# KiCad board HandyWork-5x3-with-mods-with-nav-PCB.kicad_pcb
title: HandyWork 5x3 + Mods + Nav: PCB; date: 2026-03-04; rev: v1A; company: Axel Voitier; note: HW-5x3-M-N-PCB; note: CERN Open Hardware Licence Version 2 - Weakly Reciprocal; note: Alidron; note: HandyWork; note: 5x3 + Mods + Nav
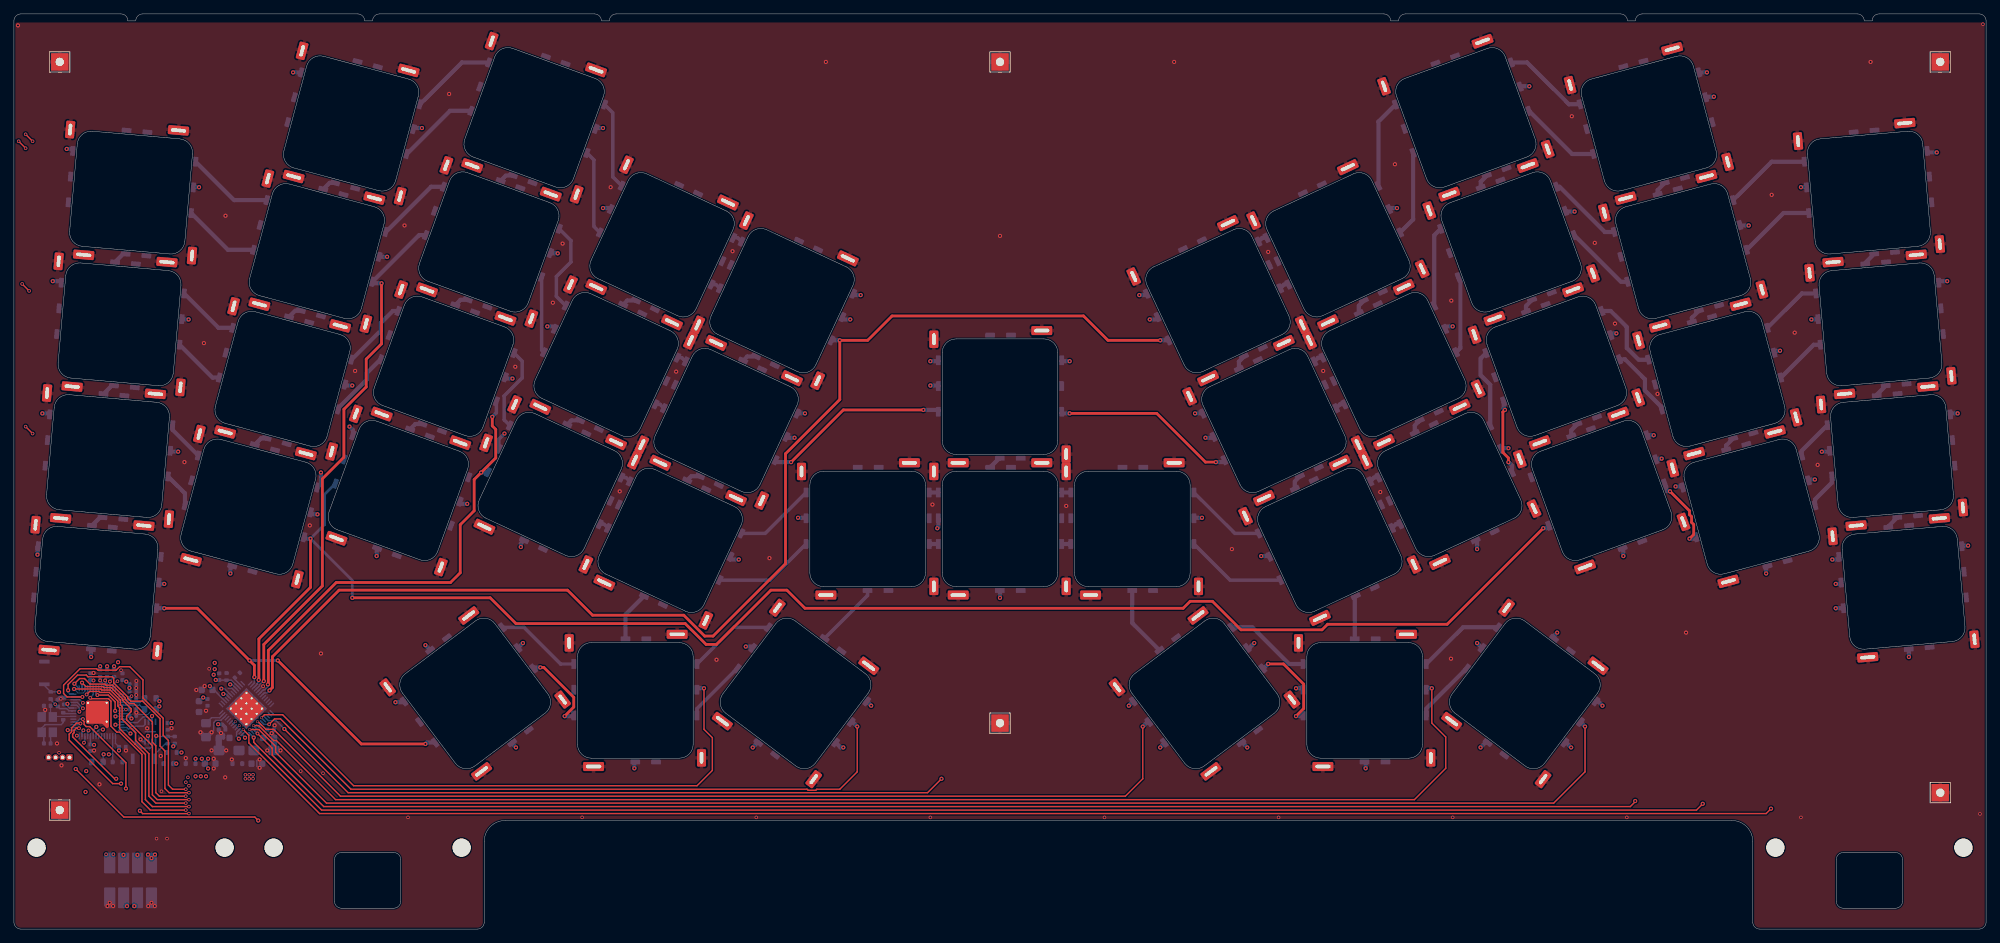
[diagram p0: board, top side]
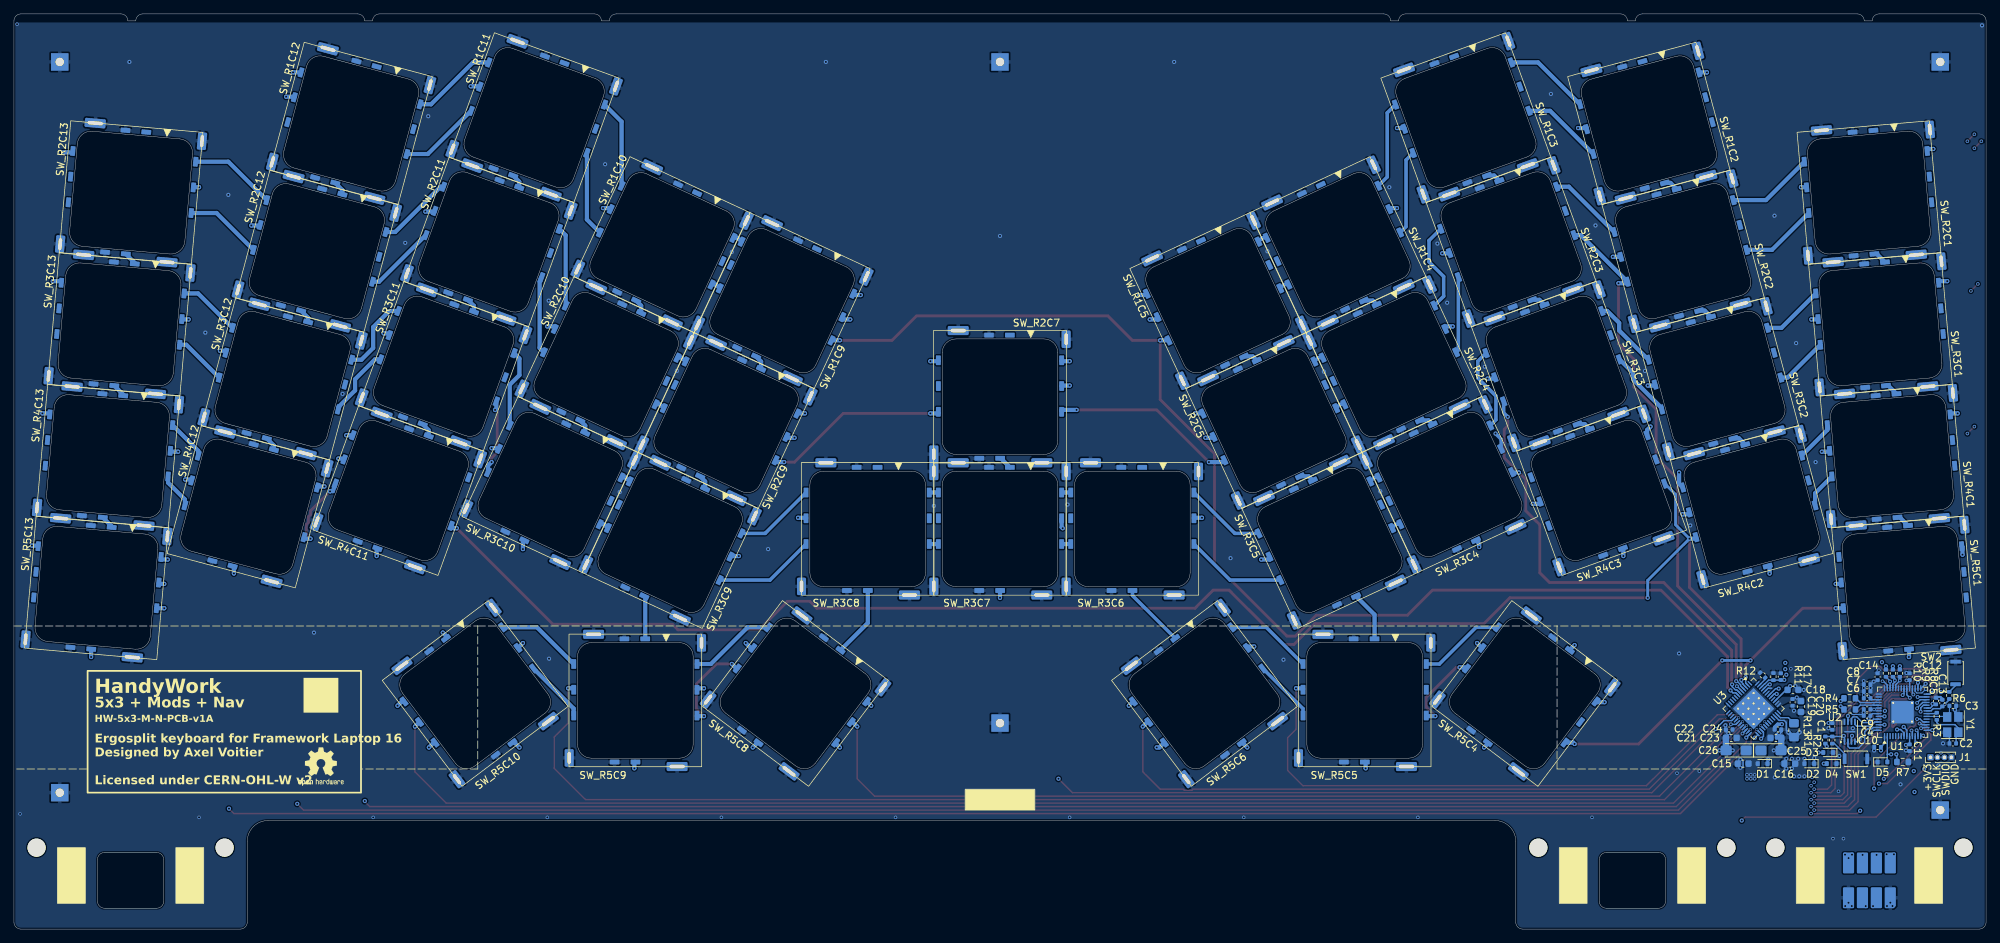
[diagram p1: board, bottom side, seen from below]

Outline 283.16 x 131.5 mm; copper layers: Top, In1.Cu, In2.Cu, Bottom (plane). Coordinates in mm from the lower left corner of the outline.
Stack: Top 0.035mm / dielectric 0.0994mm FR4 er 4.5 / In1.Cu 0.0152mm / dielectric 0.5mm FR4 er 4.5 / In2.Cu 0.0152mm / dielectric 0.0994mm FR4 er 4.5 / Bottom 0.035mm

## Placement (name value [footprint] x y rotation side)
C1  100n  [C_0402_1005Metric]  22.08 29.11 270 bottom
C2  15p  [C_0402_1005Metric]  4.78 26.67 180 bottom
C3  15p  [C_0402_1005Metric]  4.78 32.07 180 bottom
C4  100n  [C_0402_1005Metric]  17.08 30.66 0 bottom
C5  100n  [C_0402_1005Metric]  7.2 32.78 90 bottom
C6  1u  [C_0402_1005Metric]  17.08 33.16 0 bottom
C7  1u  [C_0402_1005Metric]  17.08 34.16 0 bottom
C8  100n  [C_0402_1005Metric]  17.08 35.16 0 bottom
C9  100n  [C_0402_1005Metric]  17.08 31.57 0 bottom
C10  100n  [C_0402_1005Metric]  15.58 26.16 0 bottom
C11  100n  [C_0402_1005Metric]  10.98 26.06 270 bottom
C12  100n  [C_0402_1005Metric]  10.98 36.26 90 bottom
C13  100n  [C_0402_1005Metric]  6.28 32.47 90 bottom
C14  100n  [C_0402_1005Metric]  15.58 36.26 90 bottom
C15  10u  [C_0603_1608Metric]  34.88 23.78 0 bottom
C16  10u  [C_0603_1608Metric]  28.18 23.78 0 bottom
C17  100n  [C_0402_1005Metric]  29.48 36.28 90 bottom
C18  470n  [C_0603_1608Metric]  27.73 34.38 180 bottom
C19  100n  [C_0402_1005Metric]  27.78 32.58 270 bottom
C20  470n  [C_0603_1608Metric]  26.58 31.98 270 bottom
C21  470n  [C_0603_1608Metric]  36.58 27.48 0 bottom
C22  100n  [C_0402_1005Metric]  36.88 28.68 0 bottom
C23  470n  [C_0603_1608Metric]  30.18 27.48 180 bottom
C24  100n  [C_0402_1005Metric]  29.88 28.68 180 bottom
C25  10u  [CP_EIA-3216-18_Kemet-A_HandSolder]  30.88 25.68 180 bottom
C26  10u  [CP_EIA-3216-18_Kemet-A_HandSolder]  35.88 25.68 0 bottom
D1  TVS  [D_SOD-523]  32.08 23.78 0 bottom
D2  TVS  [D_SOD-523]  25.38 23.78 0 bottom
D3  TVS  [D_SOD-523]  22.68 25.38 0 bottom
D4  TVS  [D_SOD-523]  22.18 23.78 0 bottom
D5  TVS  [D_SOD-523]  14.88 24.01 180 bottom
J1  Conn_01x04  [PinHeader_1x04_P1.00mm_Vertical]  7.98 24.67 90 bottom  (not fitted)
J2  Conn_02x04_Odd_Even  [A1 Board PCB]  141.58 74.6 0 top
R1  10k  [R_0402_1005Metric]  23.08 27.16 90 bottom  (not fitted)
R2  1k  [R_0402_1005Metric]  22.08 27.16 90 bottom
R3  1k  [R_0402_1005Metric]  7.08 30.57 90 bottom
R4  27.4  [R_0603_1608Metric]  19.58 33.16 180 bottom
R5  27.4  [R_0603_1608Metric]  19.58 31.56 180 bottom
R6  1k  [R_0402_1005Metric]  5.28 33.57 270 bottom  (not fitted)
R7  330k  [R_0603_1608Metric]  11.98 24.01 0 bottom
R8  2k  [R_0402_1005Metric]  12.38 36.76 90 bottom
R9  2k  [R_0402_1005Metric]  13.38 36.76 90 bottom
R10  100k  [R_0402_1005Metric]  14.38 36.76 90 bottom
R11  100k  [R_0402_1005Metric]  30.53 36.28 270 bottom
R12  100k  [R_0402_1005Metric]  32.08 36.48 225 bottom
R13  22k  [R_0805_2012Metric_Pad1.20x1.40mm_HandSolder]  27.58 28.58 90 bottom
REF**  -  [OSHW-Logo2_7.3x6mm_SilkScreen]  239.08 23.35 180 bottom
SW1  KXT3  [SW_SPST_CK_KXT3]  18.68 24.46 0 bottom
SW2  KXT3  [SW_SPST_CK_KXT3]  4.38 36.8 270 bottom
SW_R1C2  ~  [One Key Module]  48.41 115.76 345 top
SW_R1C3  ~  [One Key Module#3]  74.69 116.59 340 top
SW_R1C4  ~  [One Key Module#4]  93.06 98.33 335 top
SW_R1C5  ~  [One Key Module#4]  110.28 90.3 335 top
SW_R1C9  ~  [One Key Module#5]  172.88 90.3 25 top
SW_R1C10  ~  [One Key Module#5]  190.1 98.33 25 top
SW_R1C11  ~  [One Key Module#6]  208.47 116.59 20 top
SW_R1C12  ~  [One Key Module]  234.75 115.76 15 top
SW_R2C1  ~  [One Key Module]  16.82 105.82 355 top
SW_R2C2  ~  [One Key Module]  43.5 97.41 345 top
SW_R2C3  ~  [One Key Module#3]  68.19 98.73 340 top
SW_R2C4  ~  [One Key Module#4]  85.03 81.11 335 top
SW_R2C5  ~  [One Key Module#4]  102.25 73.08 335 top
SW_R2C7  ~  [One Key Module]  141.58 76.5 0 top
SW_R2C9  ~  [One Key Module#5]  180.91 73.08 25 top
SW_R2C10  ~  [One Key Module#5]  198.13 81.11 25 top
SW_R2C11  ~  [One Key Module#6]  214.97 98.73 20 top
SW_R2C12  ~  [One Key Module]  239.66 97.41 15 top
SW_R2C13  ~  [One Key Module]  266.34 105.82 5 top
SW_R3C1  ~  [One Key Module]  15.16 86.9 355 top
SW_R3C2  ~  [One Key Module]  38.58 79.05 345 top
SW_R3C3  ~  [One Key Module#3]  61.69 80.88 340 top
SW_R3C4  ~  [One Key Module#4]  77 63.89 335 top
SW_R3C5  ~  [One Key Module#4]  94.22 55.86 335 top
SW_R3C6  ~  [One Key Module]  122.58 57.5 0 top
SW_R3C7  ~  [One Key Module]  141.58 57.5 0 top
SW_R3C8  ~  [One Key Module]  160.58 57.5 0 top
SW_R3C9  ~  [One Key Module#5]  188.94 55.86 25 top
SW_R3C10  ~  [One Key Module#5]  206.16 63.89 25 top
SW_R3C11  ~  [One Key Module#6]  221.47 80.88 20 top
SW_R3C12  ~  [One Key Module]  244.58 79.05 15 top
SW_R3C13  ~  [One Key Module]  268 86.9 5 top
SW_R4C1  ~  [One Key Module]  13.51 67.97 355 top
SW_R4C2  ~  [One Key Module]  33.66 60.7 345 top
SW_R4C3  ~  [One Key Module#3]  55.19 63.02 340 top
SW_R4C11  ~  [One Key Module#8]  227.97 63.02 20 top
SW_R4C12  ~  [One Key Module#2]  249.5 60.7 15 top
SW_R4C13  ~  [One Key Module]  269.65 67.97 5 top
SW_R5C1  ~  [One Key Module]  11.85 49.04 355 top
SW_R5C4  ~  [One Key Module]  66.22 33.86 37 top
SW_R5C5  ~  [One Key Module]  89.22 32.86 0 top
SW_R5C6  ~  [One Key Module#7]  112.22 33.86 323 top
SW_R5C8  ~  [One Key Module]  170.94 33.86 37 top
SW_R5C9  ~  [One Key Module]  193.94 32.86 0 top
SW_R5C10  ~  [One Key Module#7]  216.94 33.86 323 top
SW_R5C13  ~  [One Key Module]  271.31 49.04 5 top
TP1  TestPoint  [TestPoint_THTPad_2.5x2.5mm_Drill1.2mm]  6.58 124.6 0 top
TP2  TestPoint  [TestPoint_THTPad_2.5x2.5mm_Drill1.2mm]  141.58 124.6 0 top
TP3  TestPoint  [TestPoint_THTPad_2.5x2.5mm_Drill1.2mm]  276.58 124.6 0 top
TP4  TestPoint  [TestPoint_THTPad_2.5x2.5mm_Drill1.2mm]  141.58 29.6 0 top
TP5  TestPoint  [TestPoint_THTPad_2.5x2.5mm_Drill1.2mm]  276.58 19.6 0 top
TP6  TestPoint  [TestPoint_THTPad_2.5x2.5mm_Drill1.2mm]  6.58 17.1 0 top
U1  RP2040  [QFN-56-1EP_7x7mm_P0.4mm_EP3.2x3.2mm_ThermalVias]  11.98 31.16 90 bottom
U2  W25Q16JV  [Winbond_USON-8-1EP_3x2mm_P0.5mm_EP0.2x1.6mm]  19.58 28.36 90 bottom
U3  IS31FL3733B-QF  [QFN-48-1EP_6x6mm_P0.4mm_EP4.2x4.2mm_ThermalVias]  33.38 31.68 225 bottom
Y1  12.000 MHz  [Crystal_SMD_Abracon_ABM8AIG-4Pin_3.2x2.5mm]  4.78 29.38 90 bottom

## Library data of the parts
C1 C4 C5 C8-C14 C17 C19 C22 C24 = -: Description: Unpolarized capacitor, small symbol; LCSC: C1525; ki_fp_filters: C_*
C2 C3 = -: Description: Unpolarized capacitor, small symbol; LCSC: C1548; ki_fp_filters: C_*
C6 C7 = -: Description: Unpolarized capacitor, small symbol; LCSC: C52923; ki_fp_filters: C_*
C15 C16 = -: Description: Unpolarized capacitor, small symbol; LCSC: C19702; ki_fp_filters: C_*
C18 C20 C21 C23 = -: Description: Unpolarized capacitor, small symbol; LCSC: C1623; ki_fp_filters: C_*
C25 C26 = -: Description: 10uF, 10V, Tantalum; LCSC: C7171; ki_fp_filters: CP_*
D1-D5 = -: Description: Bidirectional transient-voltage-suppression diode, small symbol, filled shape; LCSC: C20615820; ki_fp_filters: TO-???* *_Diode_* *SingleDiode* D_*
J1 = -: Description: Generic connector, single row, 01x04, script generated (kicad-library-utils/schlib/autogen/connector/); GND: GND; +3V3: +3V3; SWDIO: SWDIO; SWCLK: SWCLK; ki_fp_filters: Connector*:*_1x??_*
J2 = -: Description: Generic connector, double row, 02x04, odd/even pin numbering scheme (row 1 odd numbers, row 2 even numbers), script generated (kicad-library-utils/schlib/autogen/connector/); ki_fp_filters: Connector*:*_2x??_*
R1 = -: Description: Resistor, small symbol; LCSC: C25744; ki_fp_filters: R_*
R2 R3 R6 = -: Description: Resistor, small symbol; LCSC: C11702; ki_fp_filters: R_*
R4 R5 = -: Description: Resistor, small symbol; LCSC: C25190; ki_fp_filters: R_*
R7 = -: Description: Resistor, small symbol; LCSC: C23137; ki_fp_filters: R_*
R8 R9 = -: Description: Resistor, small symbol; LCSC: C4109; ki_fp_filters: R_*
R10-R12 = -: Description: Resistor, small symbol; LCSC: C25741; ki_fp_filters: R_*
R13 = -: Description: Resistor, small symbol; LCSC: C17560; ki_fp_filters: R_*
SW1 = -: Description: Push button switch, generic, two pins; MPN: KXT331LHS; Mouser: 611-KXT331LHS; Digikey: CKN10779CT-ND; LCSC: C221822
SW2 = -: Description: Push button switch, generic, two pins; Digikey: CKN10779CT-ND; LCSC: C221822; MPN: KXT331LHS; Mouser: 611-KXT331LHS
TP1-TP6 = -: Description: test point; ki_fp_filters: Pin* Test*
U1 = -: Datasheet: https://datasheets.raspberrypi.com/rp2040/rp2040-datasheet.pdf; Description: A microcontroller by Raspberry Pi, Dual ARM Cortex-M0+, 133MHz, no flash, 264KB SRAM, 8 PIO state machines, VQFN-56; MPN: SC0914(13); Mouser: 358-SC091413; Digikey: 2648-SC0914(13)CT-ND; LCSC: C2040; ki_fp_filters: *QFN*7x7mm?P0.4mm?EP3.2x3.2mm*
U2 = -: Datasheet: https://www.winbond.com/hq/support/documentation/levelOne.jsp?__locale=en&DocNo=DA00-W25Q16JV.1; Description: 16Mbit / 2MiB Serial Flash Memory, Standard/Dual/Quad SPI, 2.7-3.6V, SOIC-8 (208 mil); MPN: W25Q16JVUXIQ; Mouser: 454-W25Q16JVUXIQTR; Digikey: 256-W25Q16JVUXIQTRCT-ND; LCSC: C2843335; ki_fp_filters: *SOIC*5.3x5.3mm*P1.27mm*
U3 = -: Datasheet: https://www.lumissil.com/assets/pdf/core/IS31FL3733B_DS.pdf; Description: 12x16 LED matrix driver with 8-bit PWM and breathing, QFN-48; MPN: IS31FL3733B-QFLS4-TR; Mouser: 870-IS31FL3733BQFLS4; Digikey: 2521-IS31FL3733B-QFLS4-CT-ND; LCSC: C5362338; LCSC-Alt: C506251; ki_fp_filters: QFN*1EP*6x6mm*P0.4mm*
Y1 = -: Description: Four pin crystal, GND on pins 2 and 4, small symbol; MPN: ABM8-272-T3; Mouser: 815-ABM8-272-T3; Digikey: 535-ABM8-272-T3CT-ND; LCSC: C20625731; ki_fp_filters: Crystal*

## Footprints (pads in the part's own frame, mm; a bottom-side part is the same pattern mirrored in y, then rotated)
A1 Board PCB
  round 2.6 hole 2.6 unplated: (-138.33,-62.9) (-111.33,-62.9) (-104.3,-62.9) (-77.3,-62.9) (111.33,-62.9) (138.33,-62.9)
  rrect 1.6x3 smd far side: 1(-127.83,-70.1) 2(-127.83,-65.1) 3(-125.83,-70.1) 4(-125.83,-65.1) 5(-123.83,-70.1) 6(-123.83,-65.1) 7(-121.83,-70.1) 8(-121.83,-65.1)
C_0402_1005Metric
  rrect 0.56x0.62 smd: 1(-0.48,0) 2(0.48,0)
C_0603_1608Metric
  rrect 0.9x0.95 smd: 1(-0.775,0) 2(0.775,0)
CP_EIA-3216-18_Kemet-A_HandSolder
  rrect 1.59x1.39 smd: 1(-1.44,0) 2(1.44,0)
Crystal_SMD_Abracon_ABM8AIG-4Pin_3.2x2.5mm
  rect 1.4x1.2 smd: 1(-1.1,-0.8) 2(1.1,-0.8) 3(1.1,0.8) 4(-1.1,0.8)
D_SOD-523
  rrect 0.6x0.7 smd: 1(-0.7,0) 2(0.7,0)
One Key Module
  rrect 1.4x0.7 smd far side: 1(-1.42,8.85) 2(1.58,8.85) 9(-0.02,-8.85) 10(2.98,-8.85)
  rrect 1.3x2.5 hole 0.5x1.7: 2(-9.5,8.26) 10(9.5,-8.26)
  rrect 3x1.3 hole 2.2x0.5: 2(6,9.5) 10(-6,-9.5)
  rrect 0.7x1.4 smd far side: 3(-8.85,5.23) 4(8.85,5.23) 5(-8.85,1.53) 6(8.85,1.53) 7(-8.85,-2.17) 8(8.85,-2.17)
One Key Module#2
  rrect 1.4x0.7 smd far side: 1(-1.42,8.85) 2(1.58,8.85) 9(-0.02,-8.85) 10(2.98,-8.85)
  rrect 1.3x2.5 hole 0.5x1.7: 2(-9.5,8.26)
  rrect 3x1.3 hole 2.2x0.5: 2(6,9.5) 10(-6,-9.5)
  rrect 0.7x1.4 smd far side: 3(-8.85,5.23) 4(8.85,5.23) 6(8.85,1.53) 7(-8.85,-2.17) 8(8.85,-2.17)
One Key Module#3
  rrect 1.4x0.7 smd far side: 1(-1.42,8.85) 2(1.58,8.85) 9(-0.02,-8.85) 10(2.98,-8.85)
  rrect 1.3x2.5 hole 0.5x1.7: 2(-9.5,8.26) 10(9.5,-8.26)
  rrect 3x1.3 hole 2.2x0.5: 2(6,9.5) 10(-6,-9.5)
  rrect 0.7x1.4 smd far side: 3(-8.85,5.23) 4(8.85,5.23) 5(-8.85,1.53) 6(8.85,1.53) 7(-8.85,-2.17) 8(8.85,-2.17)
One Key Module#4
  rrect 1.4x0.7 smd far side: 1(-1.42,8.85) 2(1.58,8.85) 9(-0.02,-8.85) 10(2.98,-8.85)
  rrect 1.3x2.5 hole 0.5x1.7: 2(-9.5,8.26) 10(9.5,-8.26)
  rrect 3x1.3 hole 2.2x0.5: 2(6,9.5) 10(-6,-9.5)
  rrect 0.7x1.4 smd far side: 3(-8.85,5.23) 4(8.85,5.23) 5(-8.85,1.53) 6(8.85,1.53) 7(-8.85,-2.17) 8(8.85,-2.17)
One Key Module#5
  rrect 1.4x0.7 smd far side: 1(-1.42,8.85) 2(1.58,8.85) 9(-0.02,-8.85) 10(2.98,-8.85)
  rrect 1.3x2.5 hole 0.5x1.7: 2(-9.5,8.26) 10(9.5,-8.26)
  rrect 3x1.3 hole 2.2x0.5: 2(6,9.5) 10(-6,-9.5)
  rrect 0.7x1.4 smd far side: 3(-8.85,5.23) 4(8.85,5.23) 5(-8.85,1.53) 6(8.85,1.53) 7(-8.85,-2.17) 8(8.85,-2.17)
One Key Module#6
  rrect 1.4x0.7 smd far side: 1(-1.42,8.85) 2(1.58,8.85) 9(-0.02,-8.85) 10(2.98,-8.85)
  rrect 1.3x2.5 hole 0.5x1.7: 2(-9.5,8.26) 10(9.5,-8.26)
  rrect 3x1.3 hole 2.2x0.5: 2(6,9.5) 10(-6,-9.5)
  rrect 0.7x1.4 smd far side: 3(-8.85,5.23) 4(8.85,5.23) 5(-8.85,1.53) 6(8.85,1.53) 7(-8.85,-2.17) 8(8.85,-2.17)
One Key Module#7
  rrect 1.4x0.7 smd far side: 1(-1.42,8.85) 2(1.58,8.85) 9(-0.02,-8.85) 10(2.98,-8.85)
  rrect 1.3x2.5 hole 0.5x1.7: 2(-9.5,8.26) 10(9.5,-8.26)
  rrect 3x1.3 hole 2.2x0.5: 2(6,9.5) 10(-6,-9.5)
  rrect 0.7x1.4 smd far side: 3(-8.85,5.23) 4(8.85,5.23) 5(-8.85,1.53) 6(8.85,1.53) 7(-8.85,-2.17) 8(8.85,-2.17)
One Key Module#8
  rrect 1.4x0.7 smd far side: 1(-1.42,8.85) 2(1.58,8.85) 9(-0.02,-8.85) 10(2.98,-8.85)
  rrect 1.3x2.5 hole 0.5x1.7: 2(-9.5,8.26) 10(9.5,-8.26)
  rrect 3x1.3 hole 2.2x0.5: 2(6,9.5) 10(-6,-9.5)
  rrect 0.7x1.4 smd far side: 3(-8.85,5.23) 4(8.85,5.23) 6(8.85,1.53) 7(-8.85,-2.17) 8(8.85,-2.17)
PinHeader_1x04_P1.00mm_Vertical
  rect 0.85x0.85 hole 0.5: 1(0,0)
  round 0.85 hole 0.5: 2(0,-1) 3(0,-2) 4(0,-3)
QFN-48-1EP_6x6mm_P0.4mm_EP4.2x4.2mm_ThermalVias
  rrect 1.13x1.13 smd: (-1.4,-1.4) (-1.4,1.4) (-1.4,0) (0,-1.4) (0,0) (0,1.4) (1.4,0) (1.4,-1.4) (1.4,1.4)
  rrect 0.85x0.2 smd: 1(-2.95,2.2) 2(-2.95,1.8) 3(-2.95,1.4) 4(-2.95,1) 5(-2.95,0.6) 6(-2.95,0.2) 7(-2.95,-0.2) 8(-2.95,-0.6) 9(-2.95,-1) 10(-2.95,-1.4) 11(-2.95,-1.8) 12(-2.95,-2.2) 26(2.95,-1.8) 28(2.95,-1) 30(2.95,-0.2) 32(2.95,0.6) 33(2.95,1) 34(2.95,1.4) 35(2.95,1.8) 36(2.95,2.2)
  rrect 0.2x0.85 smd: 13(-2.2,-2.95) 14(-1.8,-2.95) 15(-1.4,-2.95) 17(-0.6,-2.95) 19(0.2,-2.95) 21(1,-2.95) 23(1.8,-2.95) 37(2.2,2.95) 38(1.8,2.95) 39(1.4,2.95) 40(1,2.95) 41(0.6,2.95) 42(0.2,2.95) 43(-0.2,2.95) 44(-0.6,2.95) 45(-1,2.95) 46(-1.4,2.95) 47(-1.8,2.95) 48(-2.2,2.95)
  rrect 0.2x0.75 smd: 16(-1,-3) 18(-0.2,-3) 20(0.6,-3) 22(1.4,-3) 24(2.2,-3)
  rrect 0.12x0.85 smd: 16(-1,-2.95) 18(-0.2,-2.95) 20(0.6,-2.95) 22(1.4,-2.95) 24(2.2,-2.95)
  rrect 0.85x0.12 smd: 25(2.95,-2.2) 27(2.95,-1.4) 29(2.95,-0.6) 31(2.95,0.2)
  rrect 0.75x0.2 smd: 25(3,-2.2) 27(3,-1.4) 29(3,-0.6) 31(3,0.2)
  round 0.5 hole 0.3: 49(-1.575,-1.575) 49(-1.575,-0.525) 49(-1.575,0.525) 49(-1.575,1.575) 49(-0.525,-1.575) 49(-0.525,-0.525) 49(-0.525,0.525) 49(-0.525,1.575) 49(0.525,-1.575) 49(0.525,-0.525) 49(0.525,0.525) 49(0.525,1.575) 49(1.575,-1.575) 49(1.575,-0.525) 49(1.575,0.525) 49(1.575,1.575)
  rect 3.65x3.65 smd far side: 49(0,0)
  rect 4.2x4.2 smd: 49(0,0)
QFN-56-1EP_7x7mm_P0.4mm_EP3.2x3.2mm_ThermalVias
  rrect 1.24x1.24 smd: (-0.8,-0.8) (-0.8,0.8) (0.8,-0.8) (0.8,0.8)
  rrect 0.875x0.2 smd: 1(-3.438,2.6) 2(-3.438,2.2) 3(-3.438,1.8) 4(-3.438,1.4) 5(-3.438,1) 6(-3.438,0.6) 7(-3.438,0.2) 8(-3.438,-0.2) 9(-3.438,-0.6) 10(-3.438,-1) 11(-3.438,-1.4) 12(-3.438,-1.8) 13(-3.438,-2.2) 14(-3.438,-2.6) 29(3.438,-2.6) 30(3.438,-2.2) 31(3.438,-1.8) 32(3.438,-1.4) 33(3.438,-1) 34(3.438,-0.6) 35(3.438,-0.2) 36(3.438,0.2) 37(3.438,0.6) 38(3.438,1) 39(3.438,1.4) 40(3.438,1.8) 41(3.438,2.2) 42(3.438,2.6)
  rrect 0.2x0.875 smd: 15(-2.6,-3.438) 16(-2.2,-3.438) 17(-1.8,-3.438) 18(-1.4,-3.438) 19(-1,-3.438) 20(-0.6,-3.438) 21(-0.2,-3.438) 22(0.2,-3.438) 23(0.6,-3.438) 24(1,-3.438) 25(1.4,-3.438) 26(1.8,-3.438) 27(2.2,-3.438) 28(2.6,-3.438) 43(2.6,3.438) 44(2.2,3.438) 45(1.8,3.438) 46(1.4,3.438) 47(1,3.438) 48(0.6,3.438) 49(0.2,3.438) 50(-0.2,3.438) 51(-0.6,3.438) 52(-1,3.438) 53(-1.4,3.438) 54(-1.8,3.438) 55(-2.2,3.438) 56(-2.6,3.438)
  round 0.6 hole 0.3: 57(-1.35,-1.35) 57(-1.35,1.35) 57(1.35,-1.35) 57(1.35,1.35)
  rect 3.2x3.2 smd: 57(0,0)
  rrect 3.3x3.3 smd far side: 57(0,0)
R_0402_1005Metric
  rrect 0.54x0.64 smd: 1(-0.51,0) 2(0.51,0)
R_0603_1608Metric
  rrect 0.8x0.95 smd: 1(-0.825,0) 2(0.825,0)
R_0805_2012Metric_Pad1.20x1.40mm_HandSolder
  rrect 1.2x1.4 smd: 1(-1,0) 2(1,0)
SW_SPST_CK_KXT3
  rect 0.55x1.5 smd: 1(-1.625,0) 2(1.625,0)
TestPoint_THTPad_2.5x2.5mm_Drill1.2mm
  rect 2.5x2.5 hole 1.2: 1(0,0)
Winbond_USON-8-1EP_3x2mm_P0.5mm_EP0.2x1.6mm
  rrect 0.16x1.29 smd: (0,0)
  rrect 0.9x0.25 smd: 1(-1.425,0.75) 2(-1.425,0.25) 3(-1.425,-0.25) 4(-1.425,-0.75) 5(1.425,-0.75) 6(1.425,-0.25) 7(1.425,0.25) 8(1.425,0.75)
  rect 0.2x1.6 smd: 9(0,0)

## Nets
+1V1: C4.1 C5.1 C6.1 U1.23 U1.45 U1.50
+3V3: C1.1 C7.1 C8.1 C9.1 C10.1 C11.1 C12.1 C13.1 C14.1 C16.1 C18.1 D2.2 J1.1 J2.8 R1.1 R6.2 R8.2 R9.2 R10.2 U1.1 U1.10 U1.22 U1.33 U1.42 U1.43 U1.44 U1.48 U1.49 U2.8 U3.39
+5V: C15.1 C19.1 C20.1 C21.1 C22.1 C23.1 C24.1 C25.1 C26.1 D1.2 J2.2 U3.20 U3.29 U3.37 U3.38
GND: C1.2 C2.1 C3.2 C4.2 C5.2 C6.2 C7.2 C8.2 C9.2 C10.2 C11.2 C12.2 C13.2 C14.2 C15.2 C16.2 C17.2 C18.2 C19.2 C20.2 C21.2 C22.2 C23.2 C24.2 C25.2 C26.2 D1.1 D2.1 D3.1 D4.1 D5.1 J1.4 J2.1 J2.7 R7.1 R11.1 R12.1 R13.1 SW1.1 SW2.1 SW_R1C2.2 SW_R1C2.10 SW_R1C3.2 SW_R1C3.10 SW_R1C4.2 SW_R1C4.10 SW_R1C5.2 SW_R1C5.10 SW_R1C9.2 SW_R1C9.10 SW_R1C10.2 SW_R1C10.10 SW_R1C11.2 SW_R1C11.10 SW_R1C12.2 SW_R1C12.10 SW_R2C1.2 SW_R2C1.10 SW_R2C2.2 SW_R2C2.10 SW_R2C3.2 SW_R2C3.10 SW_R2C4.2 SW_R2C4.10 SW_R2C5.2 SW_R2C5.10 SW_R2C7.2 SW_R2C7.10 SW_R2C9.2 SW_R2C9.10 SW_R2C10.2 SW_R2C10.10 SW_R2C11.2 SW_R2C11.10 SW_R2C12.2 SW_R2C12.10 SW_R2C13.2 SW_R2C13.10 SW_R3C1.2 SW_R3C1.10 SW_R3C2.2 SW_R3C2.10 SW_R3C3.2 SW_R3C3.10 SW_R3C4.2 SW_R3C4.10 SW_R3C5.2 SW_R3C5.10 SW_R3C6.2 SW_R3C6.10 SW_R3C7.2 SW_R3C7.10 SW_R3C8.2 SW_R3C8.10 SW_R3C9.2 SW_R3C9.10 SW_R3C10.2 SW_R3C10.10 SW_R3C11.2 SW_R3C11.10 SW_R3C12.2 SW_R3C12.10 SW_R3C13.2 SW_R3C13.10 SW_R4C1.2 SW_R4C1.10 SW_R4C2.2 SW_R4C2.10 SW_R4C3.2 SW_R4C3.10 SW_R4C11.2 SW_R4C11.10 SW_R4C12.2 SW_R4C12.10 SW_R4C13.2 SW_R4C13.10 SW_R5C1.2 SW_R5C1.10 SW_R5C4.2 SW_R5C4.10 SW_R5C5.2 SW_R5C5.10 SW_R5C6.2 SW_R5C6.10 SW_R5C8.2 SW_R5C8.10 SW_R5C9.2 SW_R5C9.10 SW_R5C10.2 SW_R5C10.10 SW_R5C13.2 SW_R5C13.10 TP1.1 TP2.1 TP3.1 TP4.1 TP5.1 TP6.1 U1.19 U1.57 U2.4 U2.9 U3.5 U3.12 U3.34 U3.43 U3.44 U3.48 U3.49 Y1.2 Y1.4
/BCKL_PWM: U1.37
/BOOT_DONE: U1.7
/CAPS_LOCK: U1.36
/COL1: SW_R5C1.9 U1.14
/COL2: SW_R4C2.9 U1.15
/COL3: SW_R4C3.9 U1.16
/COL4: SW_R5C4.9 U1.17
/COL5: SW_R5C5.9 U1.18
/COL6: SW_R5C6.9 U1.27
/COL7: SW_R3C7.9 U1.28
/COL8: SW_R5C8.9 U1.29
/COL9: SW_R5C9.9 U1.30
/COL10: SW_R5C10.9 U1.31
/COL11: SW_R4C11.9 U1.32
/COL12: SW_R4C12.9 U1.34
/COL13: SW_R5C13.9 U1.35
/I^{2}C_SCL: R9.1 U1.39 U3.42
/I^{2}C_SDA: R8.1 U1.38 U3.41
/LED_COL1: SW_R2C1.6 SW_R3C1.6 SW_R4C1.6 SW_R5C1.6 U3.27
/LED_COL2: SW_R1C2.6 SW_R2C2.6 SW_R3C2.6 SW_R4C2.6 U3.25
/LED_COL3: SW_R1C3.6 SW_R2C3.6 SW_R3C3.6 SW_R4C3.6 U3.28
/LED_COL4: SW_R1C4.5 SW_R2C4.5 SW_R3C4.5 SW_R5C4.6 U3.30
/LED_COL5: SW_R1C5.6 SW_R2C5.6 SW_R3C5.6 SW_R5C5.6 U3.17
/LED_COL6: SW_R3C6.5 SW_R5C6.5 SW_R5C6.6 U3.18
/LED_COL7: SW_R2C7.5 SW_R3C7.5 U3.16
/LED_COL8: SW_R3C8.6 SW_R5C8.5 SW_R5C8.6 U3.19
/LED_COL9: SW_R1C9.5 SW_R2C9.5 SW_R3C9.5 SW_R5C9.5 SW_R5C9.6 U3.21
/LED_COL10: SW_R1C10.6 SW_R2C10.6 SW_R3C10.6 SW_R5C10.5 SW_R5C10.6 U3.23
/LED_COL11: SW_R1C11.6 SW_R2C11.6 SW_R3C11.6 SW_R4C11.6 U3.22
/LED_COL12: SW_R1C12.6 SW_R2C12.6 SW_R3C12.6 SW_R4C12.6 U3.24
/LED_COL13: SW_R2C13.5 SW_R3C13.5 SW_R4C13.5 SW_R5C13.5 U3.26
/LED_EN: C17.1 R11.2 U1.41 U3.46
/LED_INT: R10.1 U1.40 U3.45
/LED_ROW1: SW_R1C5.8 SW_R1C9.7 U3.7
/LED_ROW2: SW_R2C2.8 SW_R2C3.7 U3.4
/LED_ROW3: SW_R3C3.8 SW_R3C4.7 U3.6
/LED_ROW4: SW_R4C2.8 SW_R4C3.7 SW_R4C11.7 U3.3
/LED_ROW5: SW_R5C1.8 SW_R5C4.7 U3.2
/MUX_A: U1.3
/MUX_B: U1.4
/MUX_C: U1.5
/MUX_EN: U1.6
/ROW1: SW_R1C2.3 SW_R1C12.4 U1.8
/ROW2: SW_R2C1.3 SW_R2C13.4 U1.9
/ROW3: SW_R3C1.3 SW_R3C13.4 U1.11
/ROW4: SW_R4C1.3 SW_R4C13.4 U1.12
/ROW5: SW_R5C1.3 SW_R5C4.3 SW_R5C13.4 U1.13
/SWCLK: J1.2 U1.24
/SWDIO: J1.3 U1.25
/USB_D+: D4.2 J2.5 R5.1
/USB_D-: D3.2 J2.3 R4.1
/USB_DN: R4.2 U1.46
/USB_DP: R5.2 U1.47
/~{SLEEP}: D5.2 J2.6 U1.2
Net-(C2-Pad2): C2.2 R3.1 Y1.1
Net-(J2-Pin_4): J2.4 R7.2
Net-(R2-Pad1): R2.1 SW1.2
Net-(SW_R1C2A-COL-Pad9): SW_R1C2.9 SW_R2C2.1
Net-(SW_R1C2A-ROW-Pad4): SW_R1C2.4 SW_R1C3.3
Net-(SW_R1C2B-LED--Pad8): SW_R1C2.8 SW_R1C3.7
Net-(SW_R1C3A-COL-Pad9): SW_R1C3.9 SW_R2C3.1
Net-(SW_R1C3A-ROW-Pad4): SW_R1C3.4 SW_R1C4.3
Net-(SW_R1C3B-LED--Pad8): SW_R1C3.8 SW_R1C4.7
Net-(SW_R1C4A-COL-Pad9): SW_R1C4.9 SW_R2C4.1
Net-(SW_R1C4A-ROW-Pad4): SW_R1C4.4 SW_R1C5.3
Net-(SW_R1C4B-LED--Pad8): SW_R1C4.8 SW_R1C5.7
Net-(SW_R1C5A-COL-Pad9): SW_R1C5.9 SW_R2C5.1
Net-(SW_R1C5A-ROW-Pad4): SW_R1C5.4 SW_R1C9.3
Net-(SW_R1C9A-COL-Pad9): SW_R1C9.9 SW_R2C9.1
Net-(SW_R1C10A-COL-Pad9): SW_R1C10.9 SW_R2C10.1
Net-(SW_R1C10A-ROW-Pad3): SW_R1C9.4 SW_R1C10.3
Net-(SW_R1C10A-ROW-Pad4): SW_R1C10.4 SW_R1C11.3
Net-(SW_R1C10B-LED--Pad7): SW_R1C9.8 SW_R1C10.7
Net-(SW_R1C10B-LED--Pad8): SW_R1C10.8 SW_R1C11.7
Net-(SW_R1C11A-COL-Pad9): SW_R1C11.9 SW_R2C11.1
Net-(SW_R1C11A-ROW-Pad4): SW_R1C11.4 SW_R1C12.3
Net-(SW_R1C11B-LED--Pad8): SW_R1C11.8 SW_R1C12.7
Net-(SW_R1C12A-COL-Pad9): SW_R1C12.9 SW_R2C12.1
Net-(SW_R2C1A-COL-Pad9): SW_R2C1.9 SW_R3C1.1
Net-(SW_R2C1A-ROW-Pad4): SW_R2C1.4 SW_R2C2.3
Net-(SW_R2C1B-LED--Pad8): SW_R2C1.8 SW_R2C2.7
Net-(SW_R2C2A-COL-Pad9): SW_R2C2.9 SW_R3C2.1
Net-(SW_R2C2A-ROW-Pad4): SW_R2C2.4 SW_R2C3.3
Net-(SW_R2C3A-COL-Pad9): SW_R2C3.9 SW_R3C3.1
Net-(SW_R2C3A-ROW-Pad4): SW_R2C3.4 SW_R2C4.3
Net-(SW_R2C3B-LED--Pad8): SW_R2C3.8 SW_R2C4.7
Net-(SW_R2C4A-COL-Pad9): SW_R2C4.9 SW_R3C4.1
Net-(SW_R2C4A-ROW-Pad4): SW_R2C4.4 SW_R2C5.3
Net-(SW_R2C4B-LED--Pad8): SW_R2C4.8 SW_R2C5.7
Net-(SW_R2C5A-COL-Pad9): SW_R2C5.9 SW_R3C5.1
Net-(SW_R2C5A-ROW-Pad4): SW_R2C5.4 SW_R2C7.3
Net-(SW_R2C5B-LED--Pad8): SW_R2C5.8 SW_R2C7.7
Net-(SW_R2C7A-COL-Pad9): SW_R2C7.9 SW_R3C7.1
Net-(SW_R2C7A-ROW-Pad4): SW_R2C7.4 SW_R2C9.3
Net-(SW_R2C7B-LED--Pad8): SW_R2C7.8 SW_R2C9.7
Net-(SW_R2C9A-COL-Pad9): SW_R2C9.9 SW_R3C9.1
Net-(SW_R2C10A-COL-Pad9): SW_R2C10.9 SW_R3C10.1
Net-(SW_R2C10A-ROW-Pad3): SW_R2C9.4 SW_R2C10.3
Net-(SW_R2C10A-ROW-Pad4): SW_R2C10.4 SW_R2C11.3
Net-(SW_R2C10B-LED--Pad7): SW_R2C9.8 SW_R2C10.7
Net-(SW_R2C10B-LED--Pad8): SW_R2C10.8 SW_R2C11.7
Net-(SW_R2C11A-COL-Pad9): SW_R2C11.9 SW_R3C11.1